# Allegro board reServer industrial J401 Carrier Board v11.brd (continued)
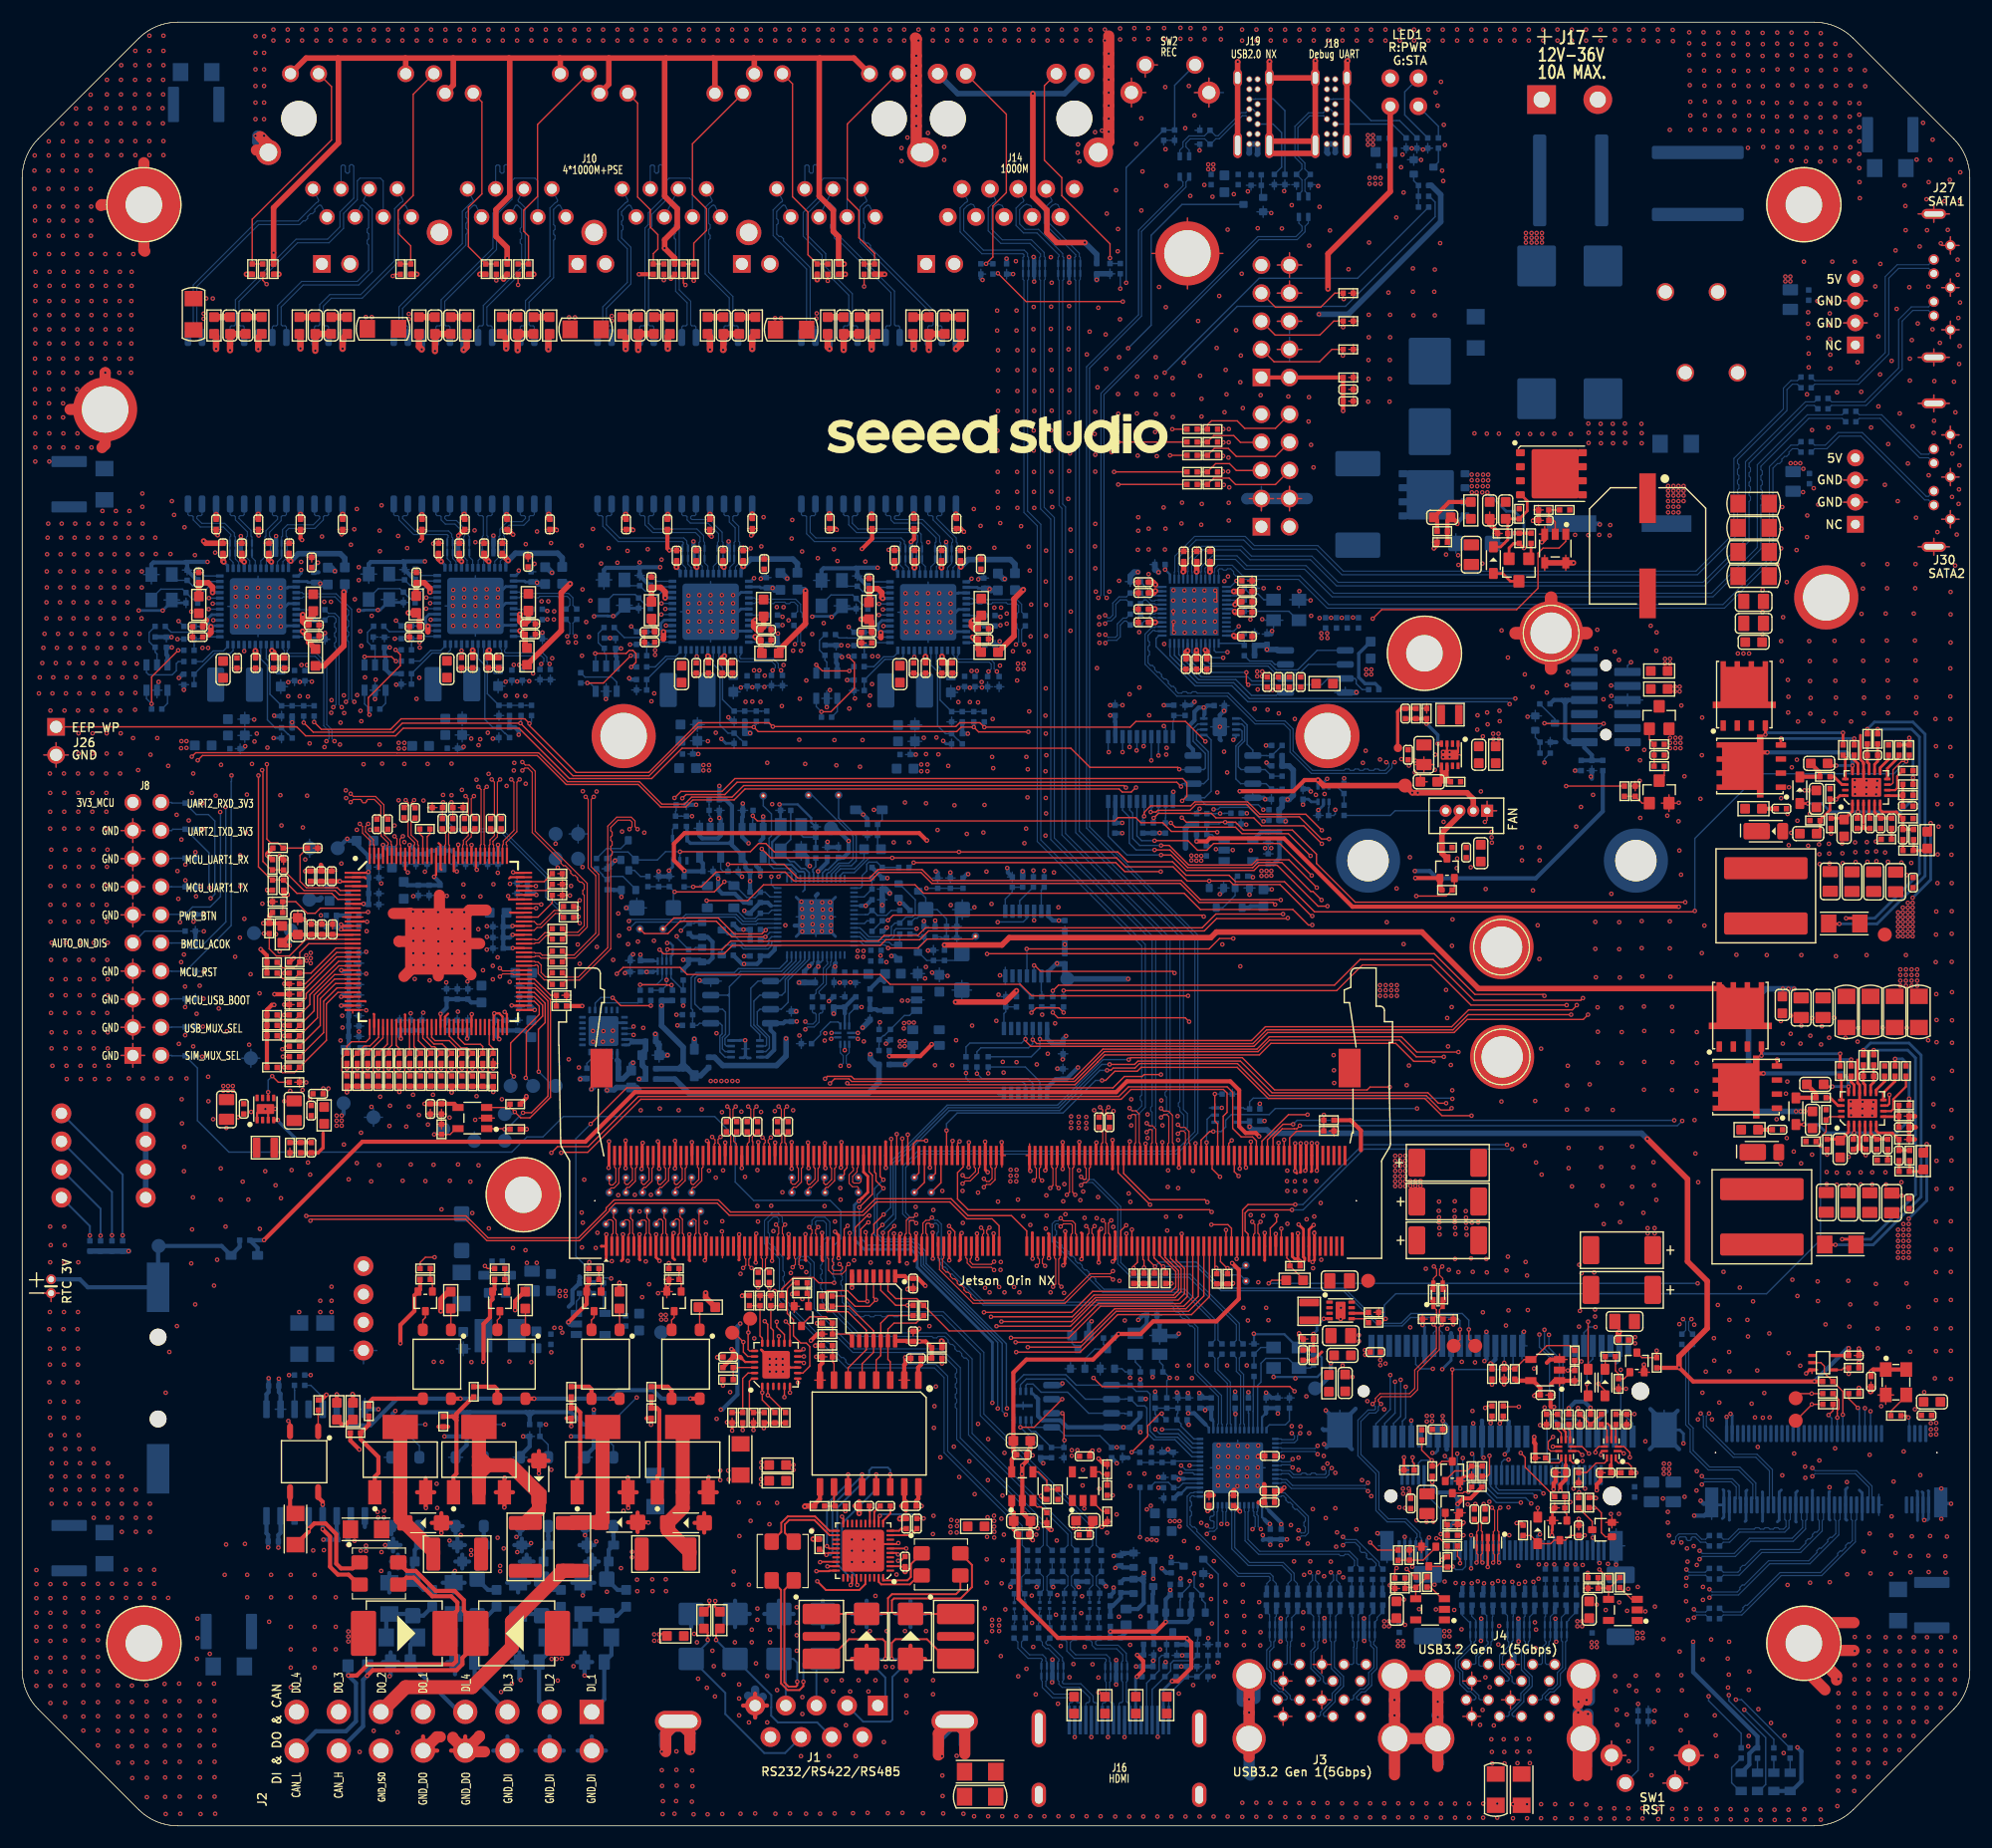
[diagram p0: board, top side]
## Routing (per net, layer and track width the routed paths; a pad name or vN(x,y) marks a point on that pad's centre or on a via; arc(x,y) is an arc through that point) (continued)
VBUS_A_EN: length 4.3
  TOP w0.127: 143.35,21.5 U5.4 ; 143.35,21.5 143.34,21.48 R440.1 R42.2 ; 143.35,21.5 R41.2 143.43,21.51 R40.2
VBUS_A_EN_31554888: length 4.4
  TOP w0.127: R10.2 126,21.56 R17.2 ; R10.2 125.93,21.55 U1.4 ; R10.2 125.07,21.56 R18.1 R15.2
VBUSDET: length 5.5
  BOTTOM w0.127: U8.37 104.15,32.96 C41.1 R54.1 R58.2 R286.2
VCC1_5V_DC1: length 20.3
  TOP w0.254: U31.2 v1(165.89,91.65) 165.89,91.12 C128.1 ; D40.1 v1(161.36,92.39) ; v1(170.53,98.32) R192.1 R194.2 ; R187.1 v1(170.86,94.73)
  BOTTOM w0.254: v1(170.53,98.32) 170.86,97.98 v1(170.86,94.73) 170.86,92.77 169.74,91.65 v1(165.89,91.65) 163.39,91.65 162.65,92.39 v1(161.36,92.39)
VCC1_5V_DC2: length 91.5
  TOP w0.254: D36.1 v1(161,63.38) ; R179.1 v1(170.51,65.72) ; U25.2 v1(165.54,62.64) 165.54,62.12 C112.1 ; R176.2 v1(169.24,69.31)
  TOP w0.381: v1(149.7,83.06) 120.21,83.06 114.03,89.24 107.31,89.24 107.04,88.97 v1(106.13,88.97)
  LAY3 w0.381: v1(149.7,83.06) 149.7,74.46 160.78,63.38 v1(161,63.38)
  BOTTOM w0.254: v1(161,63.38) 162.29,63.38 163.03,62.64 v1(165.54,62.64) 169.38,62.64 170.51,63.76 v1(170.51,65.72) 170.51,68.7 169.9,69.31 v1(169.24,69.31)
  BOTTOM w0.381: R104.1 v1(106.13,88.97)
VCC2_DC1: length 3.1
  TOP w0.254: U31.1 165.39,91.69 C120.1 164.51,91.06 R164.2
VCC2_DC2: length 3.1
  TOP w0.254: U25.1 165.04,62.69 C103.1 164.15,62.05 R149.2
VCC_1V0: length 61.4
  TOP w0.203: U63.62 43.01,71.2 v1(43.12,71.09) ; v1(43,88.65) 43.01,88.65 U63.99 ; U63.3 28.74,85.33 v1(28.71,85.36) ; v1(34.23,71.14) 34.21,71.16 U63.40 ; U63.119 v1(35.01,88.64) ; U63.31 v1(28.83,74.13) ; U63.29 v1(28.83,74.93) ; U63.91 v1(46.47,84.13) ; U63.125 v1(32.61,88.65) ; U63.55 v1(40.21,71.14) ; U63.65 46.31,73.73 v1(46.32,73.73) ; U63.105 v1(40.61,88.64) ; U63.23 v1(28.83,77.33) ; U63.108 v1(39.41,88.66)
  TOP w0.305: 27.19,62.6 27.19,61.27 26.75,60.83 C329.1 R455.1
  TOP w0.381: C321.1 C322.1 C323.1 v1(28.71,85.36)
  BOTTOM w0.381: v1(28.83,77.33) 29.15,77.01 C320.1 ; C336.1 C335.1 C320.1 ; C336.1 28.98,75.08 v1(28.83,74.93) ; C336.1 C339.1 ; C339.1 C338.1 C337.1 C334.1 29.51,70.42 C333.1 ; C339.1 28.84,74.14 v1(28.83,74.13) ; C342.1 35.59,88.1 35.04,88.64 v1(35.01,88.64) ; C342.1 C343.1 36.89,88.13 C363.1 38.83,88.13 C364.1 C365.1 C366.1 C368.1 C367.1 v1(43,88.65) ; C342.1 C341.1 33.72,87.83 C340.1 33.13,88.13 v1(32.61,88.65) ; v1(46.32,73.73) 46.04,74.01 C317.1 45.86,74.93 C316.1 45.87,75.89 C315.1 45.86,76.86 C314.1 ; TP40.1 29.05,64.36 v1(28.87,64.19) ; C320.1 C319.1 C318.1 ; C360.1 C361.1 C362.1 34.12,71.33 34.23,71.22 v1(34.23,71.14) ; C356.1 45.41,71.88 C357.1 C358.1 C359.1 42.75,71.46 v1(43.12,71.09) ; C344.1 45.66,84.26 C345.1 46.33,84.26 v1(46.47,84.13) ; v1(40.21,71.14) 40.21,71.2 40.27,71.27 C326.1 C325.1 C324.1
  vias: v1(25.67,78.67) v1(25.7,78.18) v1(26.08,78.89) v1(26.08,78.41) v1(26.08,77.96) v1(28.42,64.19) v1(28.42,63.73) v1(28.42,63.27) v1(28.77,70.97) v1(28.92,73.21) v1(28.95,72.14) v1(28.87,63.73) v1(28.87,63.27)
VDD12_SW_OUT: length 5.1
  TOP w0.508: C514.1 76.76,108.8 FB27.2 v1(75.81,109.05) ; C516.1 81.64,105.64 v1(81.62,105.66)
  BOTTOM w0.254: U71.13 85.51,112.42 v1(85.79,112.7) ; U71.31 v1(81.62,105.66) ; U71.40 v1(77.83,108.42)
  BOTTOM w0.508: v1(88.79,112.68) 88.67,112.68 FB28.2
  vias: v1(81.25,95.92) v1(81.25,95.31) v1(81.8,95.92) v1(81.8,95.31) v1(87.85,110.09) v1(88.46,110.09)
VDD12_SW_OUT0: length 4.1
  TOP w0.508: C270.1 21.09,106.16 v1(21.07,106.19) ; 16.66,108.95 16.33,108.62 C273.1
  BOTTOM w0.254: v1(25.21,113.49) 25.21,113.21 24.96,112.95 U38.13 ; U38.31 v1(21.07,106.19) ; U38.40 v1(17.28,108.95)
  BOTTOM w0.508: v1(28.26,113.39) 27.95,113.7 FB7.2
  vias: v1(14.37,97.39) v1(14.39,98.02) v1(14.85,98.02) v1(14.85,97.41) v1(15.28,109.73) v1(27.3,110.62) v1(27.9,110.62)
VDD12_SW_OUT1: length 4.7
  TOP w0.508: FB17.2 v1(34.9,109.62) ; C438.1 35.93,108.92 35.88,108.97 ; C439.1 40.72,106.23 v1(40.71,106.23)
  BOTTOM w0.254: U30.40 v1(36.92,108.99) ; v1(44.87,113.44) 44.87,113.26 44.61,112.99 U30.13 ; U30.31 v1(40.71,106.23)
  BOTTOM w0.508: v1(47.88,113.25) 47.38,113.75 FB18.2
  vias: v1(34.03,97.87) v1(34.03,97.36) v1(34.54,97.87) v1(34.54,97.36) v1(46.94,110.66) v1(47.55,110.66)
VDD12_SW_OUT2: length 4.5
  TOP w0.508: FB13.2 56.86,108.64 v1(57.07,108.44) 57.16,108.34 C475.1 ; v1(61.96,105.71) 62.02,105.65 C476.1
  BOTTOM w0.254: U48.40 v1(58.17,108.47) ; U48.13 65.85,112.47 v1(66.13,112.75) ; U48.31 v1(61.96,105.71)
  BOTTOM w0.508: FB22.2 68.64,113.22 v1(69.13,112.72)
  vias: v1(61.56,95.86) v1(61.56,95.38) v1(62.07,95.86) v1(62.07,95.38) v1(68.19,110.13) v1(68.8,110.13)
VDD25_REG_OUT: length 7.4
  TOP w0.508: v1(90.47,111.71) 89.63,110.87 89.63,107.51 FB30.2
  BOTTOM w0.508: FB31.2 90.43,111.68 v1(90.47,111.71)
  vias: v1(85.79,104.37) v1(86.27,104.37)
VDD25_REG_OUT0: length 9
  TOP w0.254: 25.31,104.95 25.26,104.9 v1(25.24,104.9)
  TOP w0.508: FB9.2 27.27,104.83 29.07,106.63 v1(29.07,111.51)
  BOTTOM w0.508: v1(29.07,111.51) 29.16,111.59 FB8.2
  vias: v1(25.72,104.9)
VDD25_REG_OUT1: length 10.4
  TOP w0.127: FB20.2 v1(44.91,104.92)
  TOP w0.508: v1(49.52,112.25) 48.72,111.44 48.72,108.02 FB20.2
  BOTTOM w0.508: FB21.2 v1(49.52,112.25)
  vias: v1(44.42,104.92)
VDD25_REG_OUT2: length 7.4
  TOP w0.508: v1(70.78,111.61) 70.78,108.64 68.37,106.23 FB24.2
  BOTTOM w0.508: v1(70.78,111.61) 70.67,111.72 FB25.2
  vias: v1(66.13,104.42) v1(66.62,104.42)
VDD_1V0_AUX: length 8.1
  TOP w0.203: v1(28.82,81.02) 28.91,80.93 U63.14 ; v1(28.82,81.45) 28.92,81.35 28.97,81.35 29,81.33 U63.13
  BOTTOM w0.381: v1(28.82,81.02) 28.74,81.02 28.5,81.26 ; 28.5,81.26 28.63,81.26 v1(28.82,81.45) 28.96,81.31 C381.1 C382.1 29.5,82.28 C379.1 C380.1 28.5,81.26
  BOTTOM w0.508: 27.02,83.84 26.87,83.7 TP52.1
  vias: v1(27.22,66.63) v1(27.68,66.63)
VDD_1V2: length 5
  TOP w0.254: C62.1 116.69,42.08 R70.1 117.44,42.83 117.44,42.83
  BOTTOM w0.381: TP46.1 117.07,39.54 118.25,40.72 v1(118.25,41.81)
VDD_1V2_FB: length 4.7
  TOP w0.254: v1(116.68,44.46) R74.1 116.68,43.01 R70.2 115.74,43 C62.2 ; U14.4 v1(117.62,45.83)
  BOTTOM w0.254: v1(117.62,45.83) 117.01,45.21 117.01,44.78 v1(116.68,44.46)
VDD_1V2_HUB: length 16.2
  TOP w0.381: C38.1 107.26,28.58 v1(107.13,28.45) ; v1(110.04,28.42) 109.52,28.94 C220.1 ; C18.1 C19.1 113.73,30.26 v1(114.04,30.56)
  BOTTOM w0.203: U8.28 107.24,28.56 v1(107.13,28.45) ; U8.43 107.24,35.97 106.94,36.27 ; U8.12 v1(114.04,30.56) ; 112.68,28.47 112.44,28.71 U8.15 ; U8.21 v1(110.04,28.42) ; U8.5 v1(113.91,33.36) ; U8.49 v1(109.64,37.22) ; 104.98,31.36 U8.33
  BOTTOM w0.381: C31.1 109.61,37.25 v1(109.64,37.22) ; 112.68,28.47 113.77,27.38 v1(113.77,27.26) C25.1 ; 106.94,36.27 105.92,37.29 v1(105.37,37.29) C39.1 ; C48.1 104.32,31.5 v1(104.53,31.29) 104.6,31.36 104.98,31.36
VDD_1V8: length 422.2
  TOP w0.305: C151.2 164.52,42.51 164.52,42.51 U34.5
  TOP w0.381: Q6.1 v1(125.89,85.65) ; R294.1 v1(127.42,31.07) ; R295.1 128.6,24.31 v1(128.31,24.03) ; R306.1 130.88,29.59 130.22,29.59 v1(129.71,29.09) ; C151.2 v1(165.05,43.16) ; v1(142.21,29.62) 142.08,29.62 142.03,29.67 R331.1 ; v1(81.61,48.81) 80.94,49.48 C229.1 79.95,49.48 79.75,49.68 U47.1 ; v1(71.82,45.42) 71.84,45.44 R345.1 ; R287.1 149.69,41.39 v1(149.72,41.43) 150.99,40.16 v1(161.94,40.16) R213.1 ; v1(135.05,27.36) 135.43,27.36 R317.1
  TOP w0.508: Q6.1 128.12,84.74 R103.1 ; v1(89.85,75.47) 88.83,74.45 v1(84.35,74.45) ; v1(83.08,43.81) 83.12,43.77 R337.1 ; v1(146.85,62.08) 150.49,58.45 150.49,51.01 152.26,49.23 152.26,44.96 149.72,42.42 v1(149.72,41.43)
  LAY3 w0.381: v1(51.66,37.62) v1(63.14,37.62) ; 142.64,27.56 142.64,29.06 142.21,29.49 v1(142.21,29.62) ; 142.64,27.56 142.23,27.16 ; 142.64,27.56 142.64,27.51 ; 142.64,27.51 142.64,27.23 142.56,27.16 ; 142.64,27.51 142.99,27.16 ; 142.23,27.16 142.56,27.16 ; 142.23,27.16 135.25,27.16 v1(135.05,27.36) 131.49,27.36 129.76,29.09 v1(129.71,29.09) ; 142.99,27.16 144.87,27.16 147.92,30.2 147.92,31.54 147.84,31.61 147.84,36.3 149.72,38.18 v1(149.72,41.43) ; 142.99,27.16 142.56,27.16 ; v1(97.32,30.46) 97.32,30.56 97.86,31.09 97.86,36.83 96.21,38.48 96.21,45.21 ; 81.48,45.58 71.99,45.58 v1(71.82,45.42)
  LAY3 w0.508: v1(113.56,100.54) 121.35,108.33 121.35,114.94 120.59,115.7 120.59,123.07 117.19,126.47 v1(117.19,136.6) ; v1(89.85,75.47) 91.05,75.47 v1(93.51,77.93) ; v1(84.35,74.45) 83.33,75.47 64.66,75.47 61.86,78.27 v1(59.74,78.27)
  LAY4 w0.381: v1(71.82,45.42) 71.24,44.83 66.72,44.83 66.16,45.39 v1(64.89,45.39) ; v1(98.63,21.53) 102.29,21.53 102.99,22.23 v1(102.99,23.27) 101.92,23.27 99.84,25.35 99.84,29.72 99.1,30.46 v1(97.32,30.46) ; v1(55.87,78.73) 55.97,78.63 59.37,78.63 v1(59.74,78.27)
  LAY4 w0.508: v1(90.41,86.26) 90.41,80.9 89.86,80.34 89.86,75.48 v1(89.85,75.47)
  BOTTOM w0.203: 57.02,78.19 57.07,78.14 U24.1
  BOTTOM w0.254: U33.5 110.8,63.59 C140.2 ; 106.84,100.45 106.78,100.38 U15.8 ; C74.2 116.24,92.78 116.48,92.54 U17.6
  BOTTOM w0.381: U16.8 105.81,97.26 105.41,97.66 105.41,99.37 105.94,99.9 105.94,100.68 106.32,101.06 v1(106.77,101.06) ; 106.84,100.45 106.84,100.99 v1(106.77,101.06) ; v1(96.64,45.6) 96.4,45.35 R580.1 ; 40.47,37.39 40.17,37.08 ; 40.47,37.39 45.53,37.39 ; 40.47,37.39 40.22,37.39 ; 40.17,37.08 39.86,37.39 ; 40.17,37.08 40.17,37.34 40.22,37.39 ; 40.17,37.08 R45.1 ; v1(106.77,101.06) 106.91,101.06 107.08,101.23 C67.1 ; R433.1 142.83,91.69 136.77,85.63 127.86,85.63 127.2,86.29 v1(125.85,86.29) ; C140.2 v1(110.91,63.18) ; v1(95.4,68.53) 94.35,67.48 C298.2 93.39,67.48 92.62,66.71 U57.1 ; v1(98.32,100.36) 98.33,100.35 C86.2 98.76,99.78 98.79,99.75 U18.2 ; v1(63.14,37.62) 63.26,37.62 64.63,38.99 64.63,45.13 v1(64.89,45.39) ; R44.1 34.12,36.88 34.63,37.39 39.86,37.39 ; R143.1 60.23,77.88 59.74,77.38 R154.2 ; R143.1 v1(59.74,78.27) ; R143.1 61.25,78.27 Q15.1 62.02,78.07 62.39,78.43 62.39,79.88 61.95,80.32 Q13.1 60.59,80.32 R134.1 ; 46.19,37.39 45.86,37.06 ; 46.19,37.39 45.86,37.39 ; 46.19,37.39 49.59,37.39 50.71,36.27 R47.1 v1(51.66,37.62) ; 45.86,37.06 R46.1 ; 45.86,37.06 45.86,37.39 45.86,37.39 ; 45.86,37.06 45.53,37.39 ; R105.1 113.61,87.45 113.08,86.92 C83.1 ; v1(98.63,21.53) 98.63,21.1 R399.1 ; v1(55.87,78.73) C102.1 57.02,78.19 ; 39.86,37.39 40.22,37.39 ; 45.86,37.39 45.53,37.39 ; v1(93.51,77.93) 93.47,77.93 92.74,77.2 U6.1 ; R115.1 v1(103.17,101.27) ; R427.1 v1(89.85,75.47) ; R242.1 103.38,22.87 v1(102.99,23.27) ; v1(127.42,31.07) 127.42,30.54 127.84,30.12 129.19,30.12 129.71,29.59 v1(129.71,29.09) 129.71,27.74 128.8,26.82 128.8,24.51 v1(128.31,24.03) ; R437.1 v1(110.66,91.51) ; v1(161.94,40.16) 164.94,43.16 v1(165.05,43.16) ; C74.2 v1(115.74,92.29)
  BOTTOM w0.508: v1(99.94,76.54) TP47.1 94.22,76.76 C299.2 93.55,77.89 v1(93.51,77.93) ; v1(114.16,90.78) 114.08,90.86 R99.1 R95.1 113.85,92.09 R89.1 v1(114.35,92.75) 114.48,92.75 114.86,93.13 114.86,95.41 114.48,95.79 R84.1 R82.1 ; v1(146.85,62.08) 146.35,62.59 112.79,62.59 112.49,62.89 111.17,62.89 110.91,63.15 v1(110.91,63.18) ; v1(117.19,136.6) 119.83,136.6 128.19,144.96 128.19,147.4 127.34,148.24 R1.1 ; v1(90.41,86.26) R429.1
  vias: v1(87.01,48.62) v1(87.42,48.21) v1(88.28,48.69) v1(88.76,48.21) v1(89.32,59.29) v1(89.32,58.75) v1(89.3,58.24) v1(89.63,48.69) v1(89.86,59.29) v1(89.86,58.75) v1(89.83,58.24) v1(90.11,48.21) v1(94.78,64.11) v1(94.78,63.58) v1(94.78,63.07) v1(95.47,64.09) v1(95.47,63.55) v1(95.47,63.07) v1(96.16,64.06) v1(96.16,63.53) v1(96.16,63.05) v1(111.99,86.3) v1(111.99,85.85) v1(112.44,86.3) v1(112.44,85.85) v1(112.87,86.3) v1(112.87,85.87)
VDD_1V8_5V: length 17.8
  TOP w0.381: U44.1 80.96,40.3 80.96,41.42 81.23,41.69 C225.1 R334.2 R337.2 81.64,43.78 v1(81.09,43.78) C228.1 79.95,43.78 79.9,43.83 U47.14 ; R338.1 71.69,43.41 v1(71.67,43.39)
  LAY3 w0.381: v1(81.09,43.78) 72.06,43.78 v1(71.67,43.39)
VDD_1V8_DISCHG: length 1.5
  BOTTOM w0.127: R580.2 94.87,43.61 95.05,43.44 95.12,43.44 95.4,43.15 Q56.3
VDD_1V8_FB: length 2.7
  BOTTOM w0.381: R105.2 R106.1 111.97,89.82 111.28,89.13 U22.4
VDD_1V25: length 5.1
  TOP w0.305: TP39.1 124.29,97.44 124.29,100.69 124.59,100.98 C580.1 R624.1
VDD_3V3_AUX: length 9
  TOP w0.203: U63.15 28.57,80.53 28.54,80.56 C376.1
  TOP w0.381: v1(24.18,79.55) 23.76,79.55 FB14.1 24.24,80.54 C373.1 ; C373.1 24.81,80.63 ; C373.1 26.11,80.54 C374.1 C375.1 C376.1
  BOTTOM w0.381: v1(24.18,79.55) 24.18,80.56 24.27,80.65 TP58.1
VDD_3V3_DISCHG: length 2
  BOTTOM w0.381: Q10.3 110.88,82.98 111.01,83.1 R127.2
VDD_3V3_HDMI: length 33.4
  TOP w0.381: v1(103.34,18.42) 102.48,17.57 v1(98.33,17.57)
  LAY3 w0.381: v1(95.47,26.88) 95.47,26.09 98.25,23.31 v1(98.78,23.31) ; v1(103.75,21.31) 100.88,21.31 99.85,22.34 98.28,22.34 95.01,25.61 v1(95.01,26.9)
  BOTTOM w0.381: v1(98.78,23.31) 98.98,23.51 R240.1 99.43,23.35 Q19.1 ; R258.1 98.32,17.56 v1(98.33,17.57) R398.2 ; R255.1 105.68,20.3 105.61,20.24 Q21.1 105.61,18.69 105.35,18.42 v1(103.34,18.42) Q22.1 103.34,20.46 R256.1 v1(103.75,21.31) C182.1
VDD_3V3_HUB: length 12.7
  BOTTOM w0.203: 104.71,30.02 105.25,30.56 U8.31 ; 112.38,37.27 112.04,36.94 U8.55 ; U8.16 112.04,27.89 112.27,27.66 ; 107.52,36.7 107.64,36.59 U8.44
  BOTTOM w0.381: v1(102.09,34.24) 102.04,34.19 R58.1 ; C37.1 106.72,37.75 v1(106.9,37.57) 107.08,37.75 C34.1 107.45,36.78 107.52,36.7 ; C27.1 112.78,27.24 v1(112.74,27.28) 112.65,27.38 112.55,27.38 112.27,27.66 ; v1(113.47,37.26) C26.1 C28.1 112.4,37.3 112.38,37.27 ; C47.1 104.49,30.02 104.71,30.02
  vias: v1(103.73,27.54) v1(104.16,27.54) v1(104.59,27.54) v1(104.59,27.05)
VDD_3V3_SYS: length 517
  TOP w0.127: C208.1 125.47,30.3 v1(125.3,30.47)
  TOP w0.203: 64.99,42.27 65.34,41.92 U51.21 ; U63.79 v1(44.33,79.33) ; v1(37.23,85.77) 37.41,85.95 U63.113 ; U63.8 v1(30.85,83.33) ; U63.96 44.41,86.13 v1(44.36,86.18) ; v1(31.28,86.2) 31.21,86.13 U63.1 ; v1(43.6,73.55) 43.81,73.35 U63.64 ; U63.82 v1(44.33,80.53) ; 143.55,32.6 143.6,32.66 U46.9 ; U63.84 v1(44.31,81.33) ; U45.9 139.48,32.6 ; U63.49 v1(37.81,73.38)
  TOP w0.254: R112.2 165.23,53.01 v1(164.46,53.01) ; R413.1 R412.1 R385.1 67.05,35.97 v1(67.02,35.94) ; R183.1 172.1,61.14 v1(172.1,61.61) ; R166.1 v1(167.31,70.1) ; R384.1 v1(65.11,35.77)
  TOP w0.381: C260.1 64.88,42.38 64.99,42.27 ; C260.1 63.33,41.44 R382.1 ; C260.1 64.27,42.92 v1(64.1,43.08) ; U65.4 39.05,65.25 C400.1 C401.1 v1(36.37,65.25) ; v1(138.99,30.3) 138.99,30.82 139.48,31.3 C221.1 139.48,32.6 ; v1(136.64,38.86) 136.71,38.93 C293.1 137.18,39.57 136.52,40.24 U53.5 135.01,40.24 R325.1 ; R318.1 27.02,38.49 v1(27.49,38.96) ; OSC2.4 OSC2.1 167.26,41.24 v1(167.07,41.05) C179.1 ; R309.2 v1(132.82,39.88) ; v1(44.54,46.61) 44.54,47.43 45.39,48.27 R342.1 ; R203.1 R206.1 v1(100.93,49.02) R205.1 ; R507.1 R505.1 R503.1 R497.1 R499.1 R489.1 v1(29.35,66.29) ; R507.1 R509.1 R511.1 R513.1 R491.1 37.88,66.84 R493.1 ; R507.1 v1(34.09,66.32) ; R518.1 v1(21.79,81.56) ; R518.1 23.28,81.56 FB14.2 ; R518.1 22.33,82.25 R487.1 ; R516.1 22.56,87.32 v1(22.17,87.71) 22.17,87.88 R517.1 ; R493.1 38.81,66.84 R495.1 39.76,66.84 R477.1 40.69,66.84 R481.1 41.66,66.81 R483.1 v1(42.57,66.32) ; R493.1 v1(38.81,66.28) ; R465.1 R463.1 22.12,78.65 v1(21.55,79.22) ; R459.1 45.01,65.24 45.56,65.79 v1(45.56,65.94) ; R341.1 v1(53.97,49.08) ; v1(69.58,48.05) 69.65,48.12 R241.1 ; v1(109.42,49.04) 109.36,48.98 R362.1 R361.1 ; v1(65.05,47.89) 65.09,47.93 R380.1 ; v1(29.86,39.01) 29.9,38.97 R404.1 ; v1(22.14,84.58) 22.18,84.55 R515.1 ; R475.1 v1(50.61,74.09) ; R473.1 R471.1 R469.1 R467.1 22.12,73.74 22.57,74.19 v1(22.77,74.19) ; R217.1 v1(165.97,39.58) ; 143.55,32.6 C224.1 v1(144.02,31.91) R339.2 ; R458.1 v1(45.6,62.96) ; v1(103.85,49.02) R204.1 ; R212.1 v1(165.98,41.86)
  TOP w0.508: 43.99,159.75 48.57,159.75 ; 43.99,159.75 44.06,159.69 44.06,147.3 42.82,146.05 42.82,143.64 43.83,142.63 v1(43.83,141.68) D102.2 ; 43.99,159.75 38.96,159.75 ; 48.57,159.75 53.01,159.75 ; 48.57,159.75 48.63,159.7 J10.B11 ; v1(17.06,108.36) 17.06,107.83 16.86,107.62 ; v1(91.33,156.54) 91.33,147.27 92.6,146 92.6,143.97 93.49,143.08 v1(96.03,143.08) ; 53.01,159.75 53.01,157.39 J10.C9 ; 53.01,159.75 58.17,159.75 ; v1(61.76,48.16) 61.76,47.74 R340.1 ; 34.62,159.75 38.96,159.75 ; 34.62,159.75 34.66,159.71 J10.A11 ; 34.62,159.75 28.54,159.75 ; 38.96,159.75 38.96,157.31 J10.B9 ; 72.07,159.75 75.16,159.75 J10.D11 ; 72.07,159.75 66.1,159.75 ; 72.07,159.75 72.03,159.71 72.03,147.27 73.3,146 73.3,144.1 73.77,143.62 D72.2 v1(74.28,141.14) ; v1(63.46,105.72) 63.26,105.52 C470.1 C485.1 ; D3.2 58.97,141.66 v1(58.06,142.57) 58.06,143.33 59.2,144.48 59.2,146.13 58.06,147.27 58.06,159.64 58.17,159.75 ; D96.2 v1(22.72,142.16) 22.72,146.23 28.58,152.09 28.58,159.71 28.54,159.75 ; J10.D9 66.16,159.7 66.1,159.75 ; 77.6,107.39 77.59,107.4 v1(77.59,107.82) ; 66.1,159.75 62.45,159.75 ; v1(36.67,108.41) 36.67,107.9 ; C269.1 C268.1 22.73,106.04 v1(22.57,106.2) ; 58.17,159.75 62.45,159.75 ; v1(42.21,106.25) 42.12,106.16 C428.1 C448.1 ; v1(83.12,105.67) C505.1 C525.1 ; 62.45,159.75 62.6,159.61 J10.C11 ; 57.94,107.25 57.95,107.27 v1(57.95,107.9) ; R343.1 38.53,48.27 37.84,47.58 v1(37.84,46.54) ; 28.54,159.75 25.66,159.75 J10.A9
  PWR02 w0.381: 111.98,126.58 J25.9 ; J25.9 112.96,127.56 ; J25.9 111.98,128.54 ; J25.9 111,127.56 ; 123.63,156.95 LED1.1 124.6,157.93
  PWR02 w0.762: v1(22.72,142.16) 21.08,140.52 21.08,138.58 21.62,138.04 45.52,138.04 ; 45.52,138.04 56.84,138.04 ; 45.52,138.04 45.52,139.99 v1(43.83,141.68) ; 56.84,138.04 73.36,138.04 ; 56.84,138.04 56.82,138.07 56.82,140 58.06,141.24 v1(58.06,142.57) ; v1(74.28,141.14) 73.56,140.43 73.56,138.25 73.36,138.04 ; 73.36,138.04 89.26,138.04
  BOTTOM w0.254: U48.28 v1(63.46,105.72) ; v1(164.46,53.01) 167.05,53.01 171.09,57.05 171.09,69.4 170.38,70.1 v1(167.31,70.1) ; U38.28 v1(22.57,106.2) ; U48.39 58.02,107.97 v1(57.95,107.9) 57.95,107.94 57.72,108.18 57.72,108.66 58.03,108.97 U48.41 ; U30.33 v1(39.71,106.21) ; v1(172.1,61.61) 172.1,56.49 v1(170.48,54.87) ; J21.4 154.52,37.09 v1(154.37,37.24) ; U38.39 17.15,108.45 v1(17.06,108.36) 17.06,108.42 16.82,108.66 16.82,109.14 17.13,109.45 U38.41 ; 91.6,38.78 91.2,39.18 U12.8 ; U30.28 v1(42.21,106.25) ; U71.28 v1(83.12,105.67) ; U48.33 v1(60.96,105.68) ; U38.33 v1(20.07,106.16) ; J21.2 v1(154.02,36.96) ; U71.39 77.69,107.92 v1(77.59,107.82) 77.37,108.04 77.37,108.61 77.68,108.92 U71.41 ; U30.39 36.75,108.49 v1(36.67,108.41) 36.67,108.5 36.46,108.7 36.46,109.18 36.77,109.49 U30.41 ; U71.33 v1(80.62,105.63)
  BOTTOM w0.381: v1(54.12,106.4) C486.1 53.62,105.74 53.73,105.64 U55.6 ; U7.1 22.08,39.01 22.27,39.2 C30.1 v1(22.27,40.45) ; U6.14 92.74,82.21 93.14,81.81 v1(93.69,81.81) C301.1 ; v1(92.27,32.77) 92.03,33.01 R75.1 R395.1 ; v1(14.17,103.74) 14.5,104.07 R219.2 ; C384.1 43.47,82.22 C383.1 ; C384.1 43.47,80.29 43.48,80.27 ; C384.1 44.24,81.25 v1(44.31,81.33) ; v1(13.53,106.5) C162.1 13.04,105.84 13.14,105.74 U37.6 ; 43.48,80.27 C385.1 C386.1 44.31,79.31 v1(44.33,79.33) ; 43.48,80.27 44.07,80.27 v1(44.33,80.53) ; v1(85.46,98.7) R589.1 84.96,99.76 R588.1 ; TP57.1 28.53,88.35 v1(29.38,89.2) 29.55,89.02 C350.1 30.22,88.71 C351.1 C352.1 31.31,86.23 v1(31.28,86.2) 31.31,86.18 C353.1 C354.1 C355.1 30.91,83.27 v1(30.85,83.33) ; U18.19 98.79,91.25 98.74,91.21 C68.1 v1(99.41,90.64) ; R79.1 R80.1 102.76,89.71 v1(102.79,89.74) 102.82,89.71 R81.1 ; v1(54.86,103.71) 54.98,103.59 R426.2 ; U72.6 73.66,105 73.56,105.1 C526.1 73.94,105.76 v1(74.08,105.62) ; R127.1 v1(112.92,84.63) ; R69.1 98.91,32.8 v1(98.91,32.76) ; R432.1 v1(140.32,95.36) ; R52.2 v1(102.68,30.56) ; R541.2 33.24,104.12 32.84,104.52 U52.6 32.84,105.74 32.74,105.84 C449.1 v1(33.22,106.5) ; C369.1 40.58,74.41 C370.1 C371.1 C372.1 38.36,73.93 v1(37.81,73.38) ; v1(100.86,45.72) 101.28,46.15 C63.1 101.62,45.36 100.78,44.52 U13.4 ; C346.1 34.78,85.01 C347.1 C348.1 C349.1 37.77,85.23 v1(37.23,85.77) ; R539.1 44.04,99.27 R540.1 44.54,99.27 44.87,98.94 v1(44.87,98.61) ; R62.1 101.02,36.94 C55.1 99.53,36.01 v1(99.52,36.02) U11.8 94.44,36.02 93.81,36.65 92.18,36.65 91.8,37.03 91.8,38.58 91.6,38.78 ; v1(85.49,86.01) 85.37,86.01 R121.1 ; R61.1 v1(101.05,40.35) ; v1(102.38,39.25) R57.1 ; v1(150.99,16.64) 150.99,13.9 156.81,8.08 R65.2 156.59,7.04 156.07,6.53 156.07,5.54 155.34,4.8 LED2.1 ; U57.14 92.62,71.14 93.06,70.69 C300.1 94.06,71.11 v1(94.33,71.38) ; R73.1 v1(102.15,40.55) ; R590.2 v1(74.54,103.55) ; v1(111.84,65.26) R195.1
  BOTTOM w0.508: v1(65.78,98.75) R425.1 65.3,99.81 R365.1 ; v1(96.03,143.08) 97.1,142.01 C183.1 ; R102.1 105.49,90.55 105.13,90.18 105.13,88.36 ; R209.1 v1(24.4,99.72) 24.4,99.72 R208.1 ; J14.14 94.2,156.54 v1(91.33,156.54) 84.53,156.54 J14.11 ; D94.1 v1(60.74,71.11)
  vias: v1(16.3,106.45) v1(16.81,106.45) v1(18.18,66.86) v1(18.18,66.43) v1(18.61,66.86) v1(18.61,66.43) v1(19.04,66.86) v1(19.04,66.43) v1(35.91,106.94) v1(35.93,106.48) v1(57.19,106.25) v1(57.19,105.82) v1(76.83,105.69) v1(77.33,105.69) v1(94.85,33.95) v1(94.85,33.44) v1(95.36,33.95) v1(101.66,25.88) v1(102.07,25.86) v1(102.51,25.81) v1(105.66,87.68) v1(105.66,87.25) v1(106.11,87.66) v1(106.11,87.23) v1(106.54,87.66) v1(106.54,87.23) v1(121.34,43) v1(121.37,42.56) v1(121.45,104.5) v1(121.45,104.05) v1(121.91,104.5) v1(121.91,104.06) v1(124.77,30.47) v1(124.79,30.02) v1(125.3,30.02) v1(126.93,37.05) v1(126.93,36.54) v1(127.41,37.05) v1(127.41,36.57) v1(132.92,98.69) v1(132.95,98.21) v1(133.41,98.69) v1(133.43,98.21) v1(142.89,101.81) v1(143.91,106.12) v1(145.75,44.16) v1(145.75,43.61) v1(146.88,54.02) v1(146.89,53.54) v1(147.51,54.02) v1(147.52,53.54) v1(148.35,32.74) v1(148.34,32.25) v1(148.34,31.82) v1(148.85,32.71) v1(148.82,32.25) v1(148.82,31.82) v1(156.58,36.91) v1(157.29,36.88) v1(157.9,36.91) v1(169.51,53.88) v1(169.51,53.37) v1(169.51,52.86) v1(169.51,52.35) v1(169.51,51.84) v1(169.51,51.34) v1(169.99,54.38) v1(169.99,53.88) v1(169.99,53.37) v1(169.99,52.86) v1(169.99,52.35) v1(169.99,51.84) v1(169.99,51.34) v1(170.48,54.38) v1(170.48,53.88) v1(170.48,53.37) v1(170.48,52.86) v1(170.48,52.35) v1(170.48,51.84) v1(170.48,51.34) v1(172.48,36.39) v1(172.48,35.83) v1(172.48,35.35) v1(172.96,36.42) v1(172.96,35.86) v1(172.96,35.37)
VDD_5V0_HDMI_CON: length 36.8
  TOP w0.381: v1(103.91,13.07) 104.43,13.07 105.65,14.29 105.65,16.57 v1(105.28,16.93) 105.23,16.98 93.59,16.98 90.04,20.53 C168.1 89.59,26.8 C164.1 89.59,28.31 89.42,28.48 U36.1
  BOTTOM w0.254: v1(103.91,13.07) 103.11,12.28 J16.18
  BOTTOM w0.381: R269.1 R268.1 v1(105.28,16.93) ; v1(103.91,13.07) 104.28,13.44 D50.2
VDD_5V_BUS: length 21.7
  TOP w0.381: R334.1 v1(83.12,41.79)
  LAY3 w0.381: v1(66.79,32.84) 66.79,34.93 73.66,41.79 v1(83.12,41.79)
  vias: v1(48.09,45.01) v1(48.65,45.01) v1(48.8,44.58) v1(66.79,32.36)
VDD_5V_SYS: length 234.9
  TOP w0.254: R366.2 165.59,82.02 v1(164.81,82.02) ; R157.1 172.46,90.15 v1(172.46,90.62) ; R149.1 v1(163.1,60.66) ; R199.1 v1(167.66,99.11) ; R164.1 v1(163.45,89.67)
  TOP w0.381: v1(81.75,89.05) 81.73,89.05 81.07,89.72 59.86,89.72 58.89,88.75 58.89,87.26 v1(59.85,86.31) ; v1(117.09,94.51) 115.89,94.51 114.88,93.5 v1(110.02,93.5) ; U36.5 89.42,33.11 C155.1 89.57,33.84 C154.1 v1(89.57,35.44) 89.57,40.96 90.75,42.14 96.77,42.14 v1(99.08,44.45) 101.06,44.45 102.2,45.6 107.92,45.6 109.94,47.62 109.94,50.25 v1(109.34,50.85) ; R201.1 120.04,63.77 120.97,62.84 120.97,61.06
  TOP w0.508: LED1.3 123.63,147.69 118,142.06 v1(118,138.89) ; J7.2 131.13,92.79 130.56,93.36 v1(126.12,93.36) v1(125.61,93.36) TP60.1 117.59,94.01 v1(117.09,94.51)
  LAY3 w0.381: v1(82.51,81.81) 82.51,85.15 81.75,85.91 v1(81.75,89.05) ; v1(111.22,85.73) 111.22,85.91 110.02,87.1 v1(110.02,93.5)
  LAY3 w0.508: v1(118,138.89) 118,127.05 121.4,123.65 121.4,116.26 122.88,114.79 122.88,101.69 126.56,98.01 126.56,93.8 v1(126.12,93.36) v1(125.61,93.36)
  LAY4 w0.381: v1(109.34,50.85) 109.45,50.74 109.96,50.74 110.84,51.62 116.93,51.62 v1(117.39,51.16) ; v1(82.51,81.81) 82.51,81.17 80.94,79.61 80.94,72.96 v1(80.57,72.59)
  BOTTOM w0.254: U17.1 v1(117.09,94.51) ; v1(164.81,82.02) 167.4,82.02 171.44,86.06 171.44,98.4 170.74,99.11 v1(167.66,99.11) ; v1(172.46,90.62) 172.46,85.5 v1(170.83,83.87)
  BOTTOM w0.381: v1(99.08,44.45) 99.01,44.45 R555.1 ; U19.5 61.22,87.27 61.51,86.98 C85.1 59.9,86.26 v1(59.85,86.31) 59.82,86.28 R120.1 ; v1(111.22,85.73) 111.14,85.73 111.05,85.82 R124.1 ; R138.1 v1(82.51,81.81)
  vias: v1(57.73,46.18) v1(57.75,45.75) v1(58.16,46.18) v1(58.18,45.75) v1(62.22,67.31) v1(62.68,67.31) v1(63.19,67.31) v1(63.67,67.31) v1(64.18,67.31) v1(64.66,67.31) v1(79.67,72.06) v1(79.7,72.54) v1(80.14,72.59) v1(122.7,75.97) v1(122.7,75.52) v1(122.7,75.01) v1(123.08,18.49) v1(123.08,18.04) v1(123.21,75.97) v1(123.21,75.52) v1(123.21,75.01) v1(123.51,18.49) v1(123.51,18.04) v1(123.72,75.97) v1(123.72,75.52) v1(123.72,75.01) v1(124.07,60.56) v1(124.07,60.1) v1(124.07,59.64) v1(124.07,59.18) v1(124.07,58.7) v1(124.07,58.24) v1(124.07,57.81) v1(124.22,75.97) v1(124.22,75.52) v1(124.22,75.01) v1(124.53,60.56) v1(124.53,60.1) v1(124.53,59.64) v1(124.53,59.18) v1(124.53,58.7) v1(124.53,58.24) v1(124.53,57.81) v1(124.99,60.56) v1(124.99,60.1) v1(124.99,59.64) v1(124.99,59.18) v1(124.99,58.7) v1(124.99,58.24) v1(124.99,57.81) v1(125.44,58.27) v1(125.44,57.84) v1(125.9,58.27) v1(125.9,57.84) v1(126.36,58.27) v1(126.36,57.84) v1(132.78,89.82) v1(132.78,89.33) v1(132.81,88.85) v1(140.53,18.49) v1(140.53,18.04) v1(140.96,18.49) v1(140.96,18.04) v1(148.91,98.33) v1(148.91,97.87) v1(148.91,97.39) v1(149.39,98.33) v1(149.39,97.87) v1(149.39,97.39) v1(149.85,98.33) v1(149.85,97.87) v1(149.85,97.39) v1(169.51,82.55) v1(169.51,82.12) v1(169.51,81.69) v1(169.51,81.26) v1(169.51,80.83) v1(169.51,80.39) v1(169.94,82.98) v1(169.94,82.55) v1(169.94,82.12) v1(169.94,81.69) v1(169.94,81.26) v1(169.94,80.83) v1(169.94,80.39) v1(170.4,83.42) v1(170.4,82.98) v1(170.4,82.55) v1(170.4,82.12) v1(170.4,81.69) v1(170.4,81.26) v1(170.4,80.83) v1(170.4,80.39) v1(170.83,83.42) v1(170.83,82.98) v1(170.83,82.55) v1(170.83,82.12) v1(170.83,81.69) v1(170.83,81.26) v1(170.83,80.83) v1(170.83,80.39)
